# KiCad board motherboard.kicad_pcb (continued)
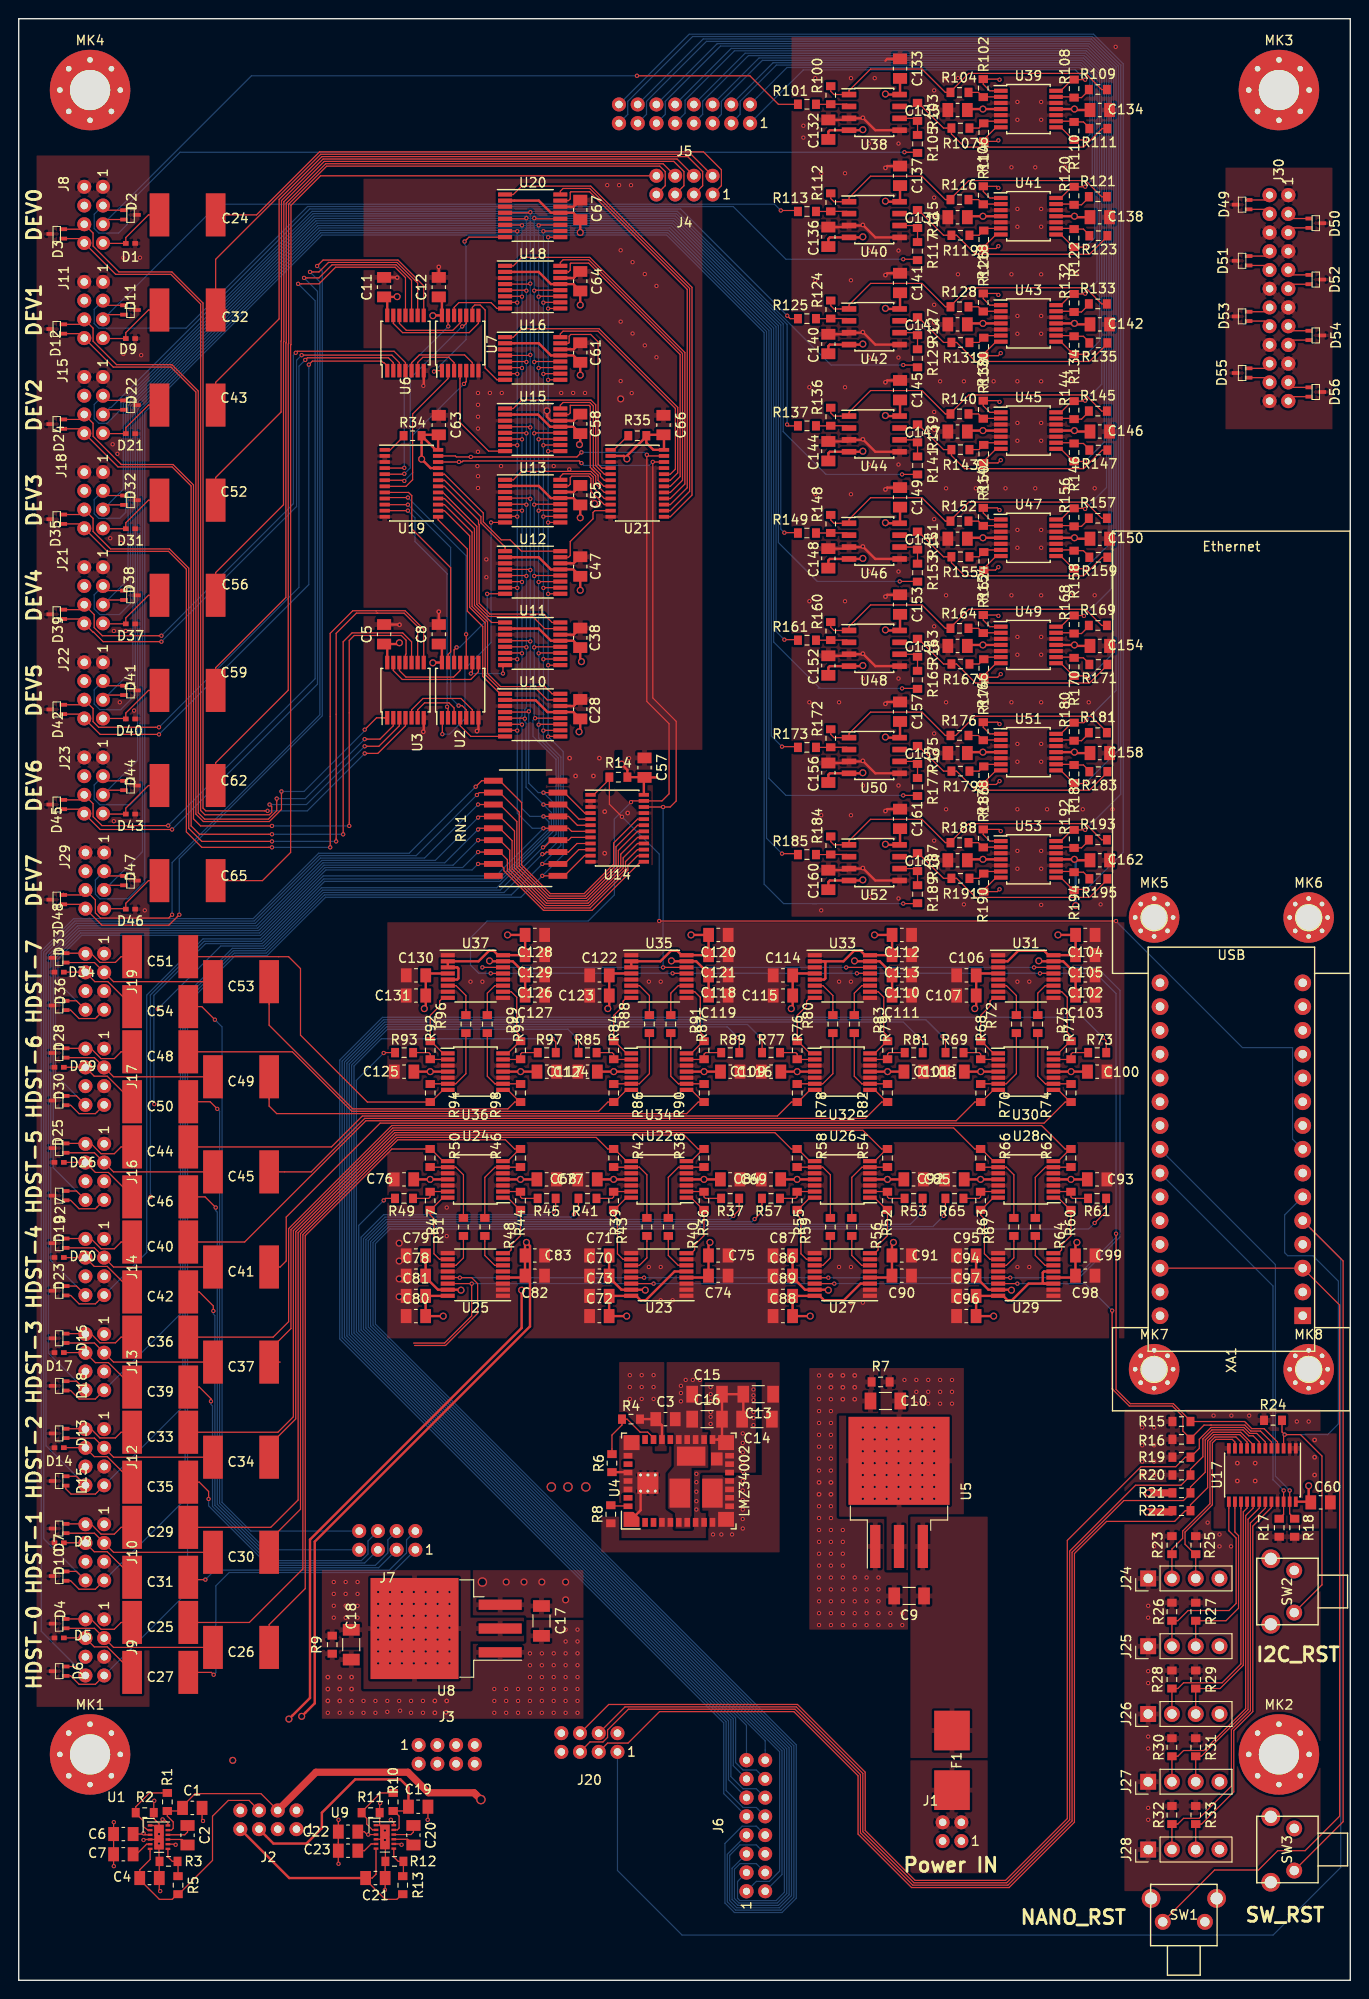
[diagram p0: board, top side]
## Routing (per net, layer and track width the routed paths; a pad name or vN(x,y) marks a point on that pad's centre or on a via; arc(x,y) is an arc through that point) (continued)
  In1.Cu w0.254: v3(30.23,28.19) 22.35,20.32 22.35,17.46 J2.7 ; v3(113.04,78.83) v3(93.44,78.83) v3(73.84,78.83) v3(54.24,78.83) 44.87,78.83 40.64,83.06 40.64,101.12 v3(43.33,103.8) v3(62.93,103.8) v3(82.53,103.8) v3(102.13,103.8)
-12VA: length 347.3
  Top w0.254: C76.2 v3(43.95,85.56) U24.11 ; v3(90.17,197.7) 90.11,197.64 U38.4 86.64,197.64 86.49,197.48 C132.2 ; v3(90.17,163.35) 90.11,163.29 U44.4 86.64,163.29 86.49,163.13 C144.2 ; C142.2 112.88,176.9 v3(112.78,177) U43.11 ; U32.11 v3(92.81,97.07) C108.2 ; C146.2 112.88,165.45 v3(112.78,165.55) U45.11 ; v3(90.17,151.9) 90.11,151.84 U46.4 86.64,151.84 86.49,151.68 C148.2 ; C134.2 112.88,199.8 v3(112.78,199.9) U39.11 ; U53.11 v3(112.78,119.75) 112.88,119.65 C162.2 ; C156.2 86.49,128.78 86.64,128.94 U50.4 90.11,128.94 v3(90.17,129) ; R6.2 65.04,54.28 U4.32 ; U34.11 v3(73.21,97.07) C116.2 ; U47.11 v3(112.78,154.1) 112.88,154 C150.2 ; U49.11 v3(112.78,142.65) 112.88,142.55 C154.2 ; U4.1 66.43,50.21 U4.37 ; C68.2 v3(63.55,85.56) U22.11 ; U36.11 v3(53.61,97.07) C124.2 ; C158.2 112.88,131.1 v3(112.78,131.2) U51.11 ; C160.2 86.49,117.33 86.64,117.49 U52.4 90.11,117.49 v3(90.17,117.55) ; v3(90.17,186.25) 90.11,186.19 U40.4 86.64,186.19 86.49,186.03 C136.2 ; U26.11 v3(83.15,85.56) C84.2 ; C138.2 112.88,188.35 v3(112.78,188.45) U41.11 ; C152.2 86.49,140.23 86.64,140.39 U48.4 90.11,140.39 v3(90.17,140.45) ; C14.2 77.4,60.07 C13.2 C15.2 C16.2 75.13,58.22 74.66,57.76 74.11,57.76 ; U30.11 v3(112.41,97.07) C100.2 ; v3(90.17,174.8) 90.11,174.74 U42.4 86.64,174.74 86.49,174.58 C140.2 ; U28.11 v3(102.75,85.56) C92.2
  In1.Cu w0.254: 81.2,87.5 100.8,87.5 v3(102.75,85.56) ; 81.2,87.5 v3(83.15,85.56) ; 81.2,87.5 61.6,87.5 ; v3(73.21,97.07) 74.78,95.5 74.93,95.5 ; 74.93,95.5 55.18,95.5 v3(53.61,97.07) 43.95,87.41 v3(43.95,85.56) 45.89,87.5 61.6,87.5 ; 74.93,95.5 94.38,95.5 ; v3(112.41,97.07) 112.03,96.69 112.03,96.66 ; v3(112.41,97.07) 114.43,99.08 114.43,113.67 113.28,114.81 v3(112.9,114.81) ; v3(112.41,97.07) 110.85,95.5 94.38,95.5 ; 94.38,95.5 v3(92.81,97.07) ; 61.6,87.5 v3(63.55,85.56)
  In1.Cu w0.762: v4(60.58,52.71) 49.02,52.71 47.75,51.44 47.75,51.18 47.63,29.34 47.63,29.21 45.47,27.05 30.48,27.05 23.67,20.24 J2.8
  Bottom w0.254: v3(112.9,114.81) 112.9,119.62 v3(112.78,119.75)
  vias: v1(72.39,54.1) v1(72.39,53.21) v1(72.39,52.2) v1(72.39,51.18) v1(72.39,50.29) v1(73.91,63.37) v1(73.91,62.61) v1(73.91,61.85) v1(73.91,60.71) v1(73.91,60.2) v1(73.91,59.44) v1(77.34,58.42) v1(77.34,57.4) v1(77.34,56.39) v1(77.34,55.37) v1(77.34,54.36) v1(78.49,63.12) v1(78.49,62.48) v1(78.49,61.98) v1(78.49,60.71) v1(78.49,60.07) v1(78.49,59.31) v4(56.9,52.71) v4(58.67,52.71)
/Arduino Nano Header Connections + Ethernet connection/5V-SCL: length 42.6
  Top w0.127: R17.2 135.12,49.78 U17.22 135.12,52.31 v1(135.13,52.32)
  Bottom w0.127: XA1.24 133.98,74.17 133.98,53.47 v1(135.13,52.32)
/Arduino Nano Header Connections + Ethernet connection/5V-SDA: length 45.4
  Top w0.127: R18.2 135.77,49.84 U17.23 135.77,52.32 v1(135.76,52.32)
  Bottom w0.127: v1(135.76,52.32) 134.24,53.85 134.24,76.45 XA1.23
/Audio Mux and Control/2v5-SCL-0: length 123.6
  Top w0.127: J20.3 62.9,25.34 65.09,25.34 68.45,28.7 82.8,28.7 89.66,21.84 89.66,15.62 95.38,9.91 105.79,9.91 112.78,16.89 112.78,45.59 116.21,49.02 123.48,49.02 124.62,50.17 R22.2 125.17,50.79 127,52.62 127,57.61 127.68,58.29 130.43,58.29 131.22,57.5 U17.9
/Audio Mux and Control/2v5-SDA-0: length 125.9
  Top w0.127: J20.5 61.02,25.46 62.41,25.46 62.9,25.95 62.9,26.73 65.12,28.96 82.93,28.96 89.92,21.97 89.92,15.75 95.5,10.16 105.66,10.16 112.52,17.02 112.52,45.72 118.05,51.25 124.43,51.25 125.17,51.99 R21.2 125.17,52.7 126.75,54.27 126.75,57.72 127.57,58.55 130.53,58.55 131.87,57.21 U17.8
/Audio Mux and Control/5V-SCL-0: length 315.5
  Top w0.127: v1(87.12,74.42) 85.03,74.42 U27.14 ; U19.22 47.02,162.19 v1(47.03,162.21) 47.35,162.21 47.45,162.31 59.88,162.31 v1(60.11,162.08) ; 127.38,59.31 126.62,59.31 125.17,57.86 ; 127.38,59.31 130.98,59.31 131.61,58.67 132.64,58.67 133.82,57.5 U17.5 ; 127.38,59.31 127.26,59.31 ; v1(67.82,74.42) 65.43,74.42 U23.14 ; v1(88.39,108.2) U33.14 ; R16.2 125.17,57.86 ; 125.17,57.86 124.36,58.67 124.36,60.22 123.24,61.34 118.64,61.34 116.8,63.18 v1(116.8,71.54) ; U25.14 45.83,74.42 v1(48.39,74.42) 48.39,70.97 45.49,68.07 42.19,68.07 ; v1(68.83,108.2) U35.14 ; U14.22 v1(68.83,125.34) 69.59,125.34 70.23,125.98 70.23,134.49 67.73,136.99 v1(67.73,162.21) 67.74,162.19 U21.22 ; U31.14 v1(108.46,108.2) ; U29.14 106.68,74.42 v1(106.68,74.42) ; v1(49.53,108.2) U37.14
  Bottom w0.127: v1(67.73,162.21) 67.35,161.82 60.36,161.82 v1(60.11,162.08) ; 111.89,74.42 113.92,74.42 v1(116.8,71.54) ; 111.89,74.42 v1(106.68,74.42) v1(87.12,74.42) v1(67.82,74.42) v1(48.39,74.42) ; 111.89,74.42 112.65,74.42 117.64,79.41 117.64,105.75 115.19,108.2 v1(108.46,108.2) v1(88.39,108.2) v1(68.83,108.2) ; v1(68.83,108.2) v1(68.83,125.34) ; v1(68.83,108.2) v1(49.53,108.2)
/Audio Mux and Control/5V-SCL-1: length 122.7
  Top w0.127: 132.52,56.83 132.52,57.5 131.85,58.17 131.4,58.17 130.77,58.8 127.47,58.8 126.49,57.82 126.49,55.93 125.17,54.6 R20.2 125.17,53.9 124.16,52.89 119.31,52.89 112.27,45.85 112.27,17.15 105.54,10.41 95.63,10.41 90.17,15.88 90.17,22.1 83.06,29.21 64.77,29.21 J20.4
/Audio Mux and Control/5V-SCL-2: length 19.6
  Top w0.127: U17.11 129.92,57.5 129.63,57.79 127.89,57.79 127.51,57.4 127.51,50.8 124.59,47.88 124.59,46.59 125.65,45.52 R25.2 J24.3
/Audio Mux and Control/5V-SCL-3: length 19.4
  Top w0.127: U17.14 129.92,47.88 130.3,47.5 130.3,39.75 128.96,38.41 R27.2 J25.3
/Audio Mux and Control/5V-SCL-4: length 26.5
  Top w0.127: J26.3 R29.2 128.32,31.17 130.81,33.65 130.81,50.04 131.22,50.45 U17.16
/Audio Mux and Control/5V-SCL-5: length 33.1
  Top w0.127: 132.52,51.12 132.52,50.45 131.32,49.25 131.32,28.91 126.34,23.93 R31.2 J27.3
/Audio Mux and Control/5V-SCL-6: length 40.9
  Top w0.127: J28.3 R33.2 126.36,16.69 129.79,20.13 129.79,26.67 131.83,28.7 131.83,48.51 133.82,50.5 U17.20
/Audio Mux and Control/5V-SDA-0: length 326.7
  Top w0.127: v1(50.42,107.57) 50.43,107.55 U37.13 ; v1(89.53,107.57) 90.92,107.57 U33.13 ; U25.13 47.1,75.07 v1(47.12,75.06) 48.39,75.06 49.02,74.42 49.02,71.25 45.59,67.82 42.29,67.82 ; U21.23 67.22,162.84 v1(67.1,162.97) 67.1,136.61 69.47,134.24 69.47,126.75 68.71,125.99 U14.23 65.54,125.99 v1(65.41,125.86) ; v1(86.49,75.06) 85.04,75.06 U27.13 ; U23.13 65.44,75.06 v1(66.8,75.06) ; v1(105.92,75.06) 104.64,75.06 U29.13 ; v1(117.22,79.76) 117.22,63.12 118.75,61.6 123.34,61.6 125.17,59.77 R15.2 130.96,59.69 131.72,58.93 133.04,58.93 134.47,57.5 U17.4 ; U31.13 110.52,107.57 v1(109.09,107.57) ; v1(69.85,107.57) 71.32,107.57 U35.13 ; U19.23 46.64,162.84 46.75,162.74 v1(48.3,162.74) 59.63,162.74 v1(60.11,163.22)
  Bottom w0.127: v1(67.1,162.97) 66.84,163.22 v1(60.11,163.22) ; v1(47.12,75.06) v1(66.8,75.06) v1(86.49,75.06) v1(105.92,75.06) 112.9,75.06 117.22,79.38 v1(117.22,79.76) 117.22,105.41 115.06,107.57 v1(109.09,107.57) v1(89.53,107.57) v1(69.85,107.57) v1(50.42,107.57) 49.15,107.57 48.26,108.46 48.26,111.38 50.04,113.16 60.83,113.16 63.63,115.95 63.63,124.08 v1(65.41,125.86)
/Audio Mux and Control/5V-SDA-1: length 125.3
  Top w0.127: J20.6 63.02,29.46 83.19,29.46 90.42,22.23 90.42,16 95.76,10.67 105.41,10.67 112.01,17.27 112.01,46.99 119.89,54.86 123.6,54.86 124.62,55.88 R19.2 126.11,56.82 126.11,57.8 127.36,59.06 130.87,59.06 131.51,58.42 132.25,58.42 133.17,57.5 U17.6
/Audio Mux and Control/5V-SDA-2: length 20.7
  Top w0.127: U17.10 130.57,57.5 130.03,58.04 127.78,58.04 127.25,57.51 127.25,50.91 124.33,47.98 124.33,47.21 123.19,46.07 R23.2 J24.2
/Audio Mux and Control/5V-SDA-3: length 21.5
  Top w0.127: J25.2 R26.2 123.82,38.41 124.91,39.5 129.29,39.5 130.05,40.26 130.05,47.24 129.27,48.03 U17.13
/Audio Mux and Control/5V-SDA-4: length 28.5
  Top w0.127: U17.15 130.57,50.45 130.56,50.44 130.56,33.78 128.56,31.78 124.43,31.78 123.82,31.17 R28.2 J26.2
/Audio Mux and Control/5V-SDA-5: length 35.1
  Top w0.127: U17.17 131.87,50.45 131.06,49.64 131.06,29.02 126.59,24.54 124.43,24.54 123.82,23.93 R30.2 J27.2
/Audio Mux and Control/5V-SDA-6: length 42.6
  Top w0.127: J28.2 R32.2 123.82,16.69 124.43,17.3 126.09,17.3 129.54,20.75 129.54,26.78 131.57,28.81 131.57,48.85 133.17,50.45 U17.19
GNDREF: length 148.8
  Top w0.127: U9.1 38.55,16.57 v1(39.12,16) 38.55,16.56 R11.2 38.55,18.87 v1(38.61,18.92) ; v1(43.69,17.15) 43.71,17.17 C19.2 ; v1(19.68,17.02) 19.58,17.12 C1.2 ; v1(15.11,9.53) 15.01,9.63 C4.1 15.01,12.67 R3.1 14.99,12.75 v1(14.99,14.61) ; v1(39.12,9.65) 39.14,9.68 C21.1 39.14,12.67 R12.1 39.17,14.58 U9.13 38.68,15.07 U9.4 ; v1(10.16,16.89) 10.13,16.86 C6.2 C7.2 10.13,12.22 v1(10.16,12.19) ; U1.13 14.74,15.04 U1.4 13.39,15.04 v1(13.34,14.99) ; U1.13 14.99,15.97 14.41,16.54 U1.1 ; U1.13 14.99,16.72 14.42,17.28 R2.2 14.42,19.12 v1(14.48,19.18) ; v1(34.16,12.45) 34.14,12.47 C23.2 C22.2 34.14,17.12 v1(34.16,17.15)
  Top w0.254: C47.2 59.28,151.37 U12.14 ; U44.5 91.5,163.29 v2(90.17,164.62) 90.11,164.56 U44.3 88.53,164.39 C144.1 ; v2(40.68,144.81) 40.65,144.83 C5.2 ; C148.1 88.53,152.94 U46.3 90.11,153.11 v2(90.17,153.17) 91.5,151.84 U46.5 ; U6.7 43.26,170.38 v1(43.22,170.33) ; U48.5 91.5,140.39 v2(90.17,141.72) 90.11,141.66 U48.3 88.53,141.49 C152.1 ; C137.1 92.78,193.81 v2(92.58,193.62) ; C141.1 92.78,182.36 v2(92.58,182.17) ; C11.2 40.4,181.92 v2(40.43,181.89) ; C8.2 v2(44.87,146.2) ; C156.1 88.53,130.04 U50.3 90.11,130.21 v2(90.17,130.27) 91.5,128.94 U50.5 ; U13.14 59.28,158.99 C55.2 ; v2(92.58,147.82) 92.78,148.01 C153.1 ; C67.2 59.28,189.47 U20.14 ; C136.1 88.53,187.29 U40.3 90.11,187.46 v2(90.17,187.52) 91.5,186.19 U40.5 ; U3.7 43.26,133.42 v2(43.22,133.38) ; C132.1 88.53,198.74 U38.3 90.11,198.91 v2(90.17,198.97) 91.5,197.64 U38.5 ; C140.1 88.53,175.84 U42.3 90.11,176.01 v2(90.17,176.07) 91.5,174.74 U42.5 ; C61.2 59.28,174.23 U16.14 ; v2(92.58,124.92) 92.78,125.11 C161.1 ; C160.1 88.53,118.59 U52.3 90.11,118.76 v2(90.17,118.82) 91.5,117.49 U52.5 ; U10.14 59.28,136.13 C28.2 ; C133.1 92.78,205.26 92.58,205.06 ; v2(92.58,136.37) 92.78,136.56 C157.1 ; C12.2 v2(44.87,183.03) ; U2.7 49.11,133.61 v2(48.95,133.45) ; C58.2 59.28,166.61 U15.14 56.84,166.61 56.43,167.02 v3(56.43,167.67) ; C38.2 59.28,143.75 U11.14 ; C145.1 92.78,170.91 v2(92.58,170.72) ; U18.14 59.28,181.85 C64.2 ; v2(92.58,159.27) 92.78,159.46 C149.1
  In1.Cu w0.127: 9.13,69.39 9.13,68.33 ; 9.13,79.55 9.13,78.49
  vias: v1(9.78,154.05) v1(10.03,164.08) v1(10.16,144.15) v1(10.16,123.83) v1(10.54,163.07) v1(10.79,136.53) v1(10.92,153.54) v1(11.18,184.02) v1(11.18,173.74) v1(11.43,144.15) v1(12.32,135.64) v1(12.95,184.02) v1(13.08,173.61) v1(13.46,114.3) v1(14.99,15.62) v1(33.02,28.58) v1(34.29,28.58) v1(35.56,29.85) v1(35.56,28.58) v1(36.83,29.85) v1(36.83,28.58) v1(38.1,29.85) v1(38.1,28.58) v1(39.12,14.99) v1(39.37,29.85) v1(39.37,28.68) v1(40.64,29.85) v1(40.74,28.8) v1(41.91,29.85) v1(41.91,28.58) v1(43.18,29.85) v1(43.18,28.58) v1(45.72,82.55) v1(45.72,79.5) v1(48.26,106.68) v1(49.06,169.57) v1(49.06,168.3) v1(49.06,167.03) v1(49.06,165.76) v1(49.06,163.28) v1(48.99,161.76) v1(49.06,160.68) v1(49.06,159.41) v1(49.53,106.68) v1(49.95,151.79) v1(49.95,149.89) v1(50.33,169.57) v1(50.8,31.12) v1(50.8,29.85) v1(50.8,28.58) v1(51.52,161.76) v1(51.6,169.57) v1(52.07,31.12) v1(52.07,29.85) v1(52.07,28.58) v1(53.34,31.12) v1(53.34,29.85) v1(53.34,28.58) v1(54.61,34.93) v1(54.61,33.66) v1(54.61,32.38) v1(54.61,31.12) v1(54.61,29.85) v1(54.61,28.58) v1(55.88,34.93) v1(55.88,33.66) v1(55.88,32.38) v1(55.88,31.12) v1(55.88,29.85) v1(55.88,28.58) v1(57.15,161.76) v1(57.15,34.93) v1(57.15,33.66) v1(57.15,32.38) v1(57.15,31.12) v1(57.15,29.85) v1(57.15,28.58) v1(57.95,169.57) v1(58.42,37.47) v1(58.42,36.19) v1(58.42,34.93) v1(58.42,33.66) v1(58.42,32.38) v1(58.42,31.12) v1(58.42,29.85) v1(58.42,28.58) v1(59.22,169.57) v1(59.69,37.47) v1(59.69,36.19) v1(59.69,34.93) v1(59.69,33.66) v1(59.69,32.38) v1(59.69,31.12) v1(59.69,29.85) v1(59.69,28.58) v1(60.49,169.57) v1(62.87,191.77) v1(64.13,191.77) v1(64.3,184.81) v1(64.3,177.19) v1(64.3,170.84) v1(65.2,130.56) v1(65.41,191.77) v1(65.48,169.56) v1(65.57,183.54) v1(65.57,175.92) v1(66.88,182.27) v1(66.88,174.66) v1(67.31,106.68) v1(67.31,76.2) v1(68.12,181) v1(68.12,173.38) v1(68.58,106.68) v1(68.58,76.2) v1(68.58,72.64) v1(69.85,72.64) v1(70.74,63.5) v1(70.74,62.74) v1(70.74,61.85) v1(71.25,64.14) v1(72.01,64.14) v1(72.77,64.14) v1(74.17,47.62) v1(75.06,47.62) v1(76.2,47.62) v1(77.34,53.34) v1(77.34,52.32) v1(77.34,51.31) v1(77.34,50.29) v1(77.34,49.28) v1(77.34,48.26) v1(83.82,198.12) v1(83.82,196.85) v1(84.46,170.18) v1(84.46,147.32) v1(84.46,136.53) v1(85.09,203.2) v1(85.09,181.61) v1(85.09,158.75) v1(85.49,64.62) v1(85.49,63.35) v1(85.49,62.08) v1(85.49,60.81) v1(85.49,59.54) v1(85.49,58.27) v1(85.49,57) v1(85.49,55.73) v1(85.49,54.46) v1(85.49,50.65) v1(85.49,49.38) v1(85.49,48.11) v1(85.49,46.84) v1(85.49,45.57) v1(85.49,44.3) v1(85.49,43.03) v1(85.49,41.76) v1(85.49,40.49) v1(85.49,39.22) v1(85.49,37.95) v1(85.72,193.04) v1(85.72,124.46) v1(85.72,114.3) v1(86.76,62.08) v1(86.76,60.81) v1(86.76,59.54) v1(86.76,58.27) v1(86.76,57) v1(86.76,55.73) v1(86.76,54.46) v1(86.76,50.65) v1(86.76,49.38) v1(86.76,48.11) v1(86.76,46.84) v1(86.76,45.57) v1(86.76,44.3) v1(86.76,43.03) v1(86.76,41.76) v1(86.76,40.49) v1(86.76,39.22) v1(86.76,37.95) v1(87.63,136.53) v1(87.63,106.68) v1(87.63,76.2) v1(88.03,48.11) v1(88.03,46.84) v1(88.03,45.57) v1(88.03,44.3) v1(88.03,43.03) v1(88.03,41.76) v1(88.03,40.49) v1(88.03,39.22) v1(88.03,37.95) v1(88.27,193.04) v1(88.27,170.18) v1(88.27,147.32) v1(88.9,203.2) v1(88.9,181.61) v1(88.9,158.75) v1(88.9,124.46) v1(88.9,106.68) v1(88.9,76.2) v1(88.9,72.39) v1(89.3,43.03) v1(89.3,41.76) v1(89.3,40.49) v1(89.3,39.22) v1(89.3,37.95) v1(90.17,139.07) v1(90.17,127.64) v1(90.17,72.39) v1(90.57,43.03) v1(90.57,41.76) v1(90.57,40.49) v1(90.57,39.22) v1(90.57,37.95) v1(90.81,196.22) v1(90.81,184.79) v1(90.81,173.36) v1(90.81,161.93) v1(90.81,150.5) v1(90.88,115.74) v1(91.44,203.2) v1(91.84,43.03) v1(91.84,41.76) v1(91.84,40.49) v1(91.84,39.22) v1(91.84,37.95) v1(93.11,39.22) v1(93.11,37.95) v1(93.98,196.22) v1(93.98,184.79) v1(93.98,173.36) v1(93.98,161.93) v1(93.98,150.5) v1(93.98,139.07) v1(93.98,127.64) v1(93.98,115.57) v1(94.38,39.22) v1(94.38,37.95) v1(97.79,201.89) v1(97.79,199.99) v1(97.79,190.44) v1(97.79,188.54) v1(97.79,178.99) v1(97.79,177.09) v1(97.79,167.54) v1(97.79,165.64) v1(97.79,156.09) v1(97.79,154.19) v1(97.79,144.64) v1(97.79,142.74) v1(97.79,133.19) v1(97.79,131.29) v1(97.79,121.74) v1(97.79,119.84) v1(98.43,170.82) v1(99.06,203.2) v1(99.06,159.39) v1(99.06,147.96) v1(99.06,136.53) v1(99.06,125.1) v1(100.33,203.2) v1(100.33,182.25) v1(100.97,170.82) v1(100.97,114.94) v1(102.24,159.39) v1(102.87,193.68) v1(102.87,182.25) v1(102.87,147.96) v1(102.87,136.53) v1(102.87,125.1) v1(104.14,170.82) v1(105.41,159.39) v1(106.05,193.68) v1(106.05,182.25) v1(106.05,147.96) v1(106.05,136.53) v1(106.68,200.66) v1(106.68,198.76) v1(106.68,189.23) v1(106.68,187.33) v1(106.68,177.8) v1(106.68,175.9) v1(106.68,170.82) v1(106.68,166.37) v1(106.68,164.47) v1(106.68,154.94) v1(106.68,153.04) v1(106.68,143.51) v1(106.68,141.61) v1(106.68,132.08) v1(106.68,130.18) v1(106.68,125.1) v1(106.68,120.65) v1(106.68,118.75) v1(106.68,106.68) v1(106.68,76.2) v1(107.95,106.68) v1(107.95,76.2) v1(108.59,193.68) v1(108.59,159.39) v1(109.22,200.66) v1(109.22,198.76) v1(109.22,189.23) v1(109.22,187.33) v1(109.22,182.25) v1(109.22,177.8) v1(109.22,175.9) v1(109.22,170.82) v1(109.22,166.37) v1(109.22,164.47) v1(109.22,154.94) v1(109.22,153.04) v1(109.22,147.96) v1(109.22,143.51) v1(109.22,141.61) v1(109.22,136.53) v1(109.22,132.08) v1(109.22,130.18) v1(109.22,120.65) v1(109.22,118.75) v1(109.22,114.88) v1(109.86,125.1) v1(111.76,193.68) v1(111.76,159.39) v1(111.76,136.53) v1(112.4,170.82) v1(112.4,147.96) v1(113.03,182.25) v1(113.66,125.1) v1(114.3,136.53) v1(114.94,159.39) v1(114.94,147.96) v1(115.57,114.94) v1(116.84,125.1) v1(117.18,206.55) v2(33.02,32.38) v2(33.02,31.12) v2(33.02,29.85) v2(34.29,32.38) v2(34.29,31.12) v2(34.29,29.85) v2(35.56,32.38) v2(35.56,31.12) v2(44.45,29.85) v2(44.45,28.58) v2(45.66,28.63) v2(45.72,29.85) v2(58.85,130.56) v2(59.48,128.65) v2(61.39,128.65) v2(62.02,130.56) v2(62.6,124.84) v2(62.6,120.4) v2(65.05,124.7) v2(85.49,53.19) v2(85.49,51.92) v2(86.76,64.62) v2(86.76,63.35) v2(86.76,53.19) v2(86.76,51.92) v2(88.03,64.62) v2(88.03,63.35) v2(88.03,62.08) v2(89.3,64.62) v2(89.3,63.35) v2(89.3,62.08) v2(130.18,55.25) v2(130.18,53.34) v2(132.08,55.25) v2(132.08,53.34) v2(138.43,57.72) v2(138.43,55.88) v2(138.43,53.98) v3(40.64,78.74) v3(40.64,76.84) v3(40.64,74.93) v3(40.64,73.03) v3(61.51,157.76) v3(64.3,168.94)
/Arduino Nano Header Connections + Ethernet connection/D2_SPST: length 239.9
  Top w0.127: SW3.1 141.48,16.95 141.48,76.84 XA1.5
  Bottom w0.127: J20.1 63.96,11.73 70.87,4.83 133.99,4.83 141.22,12.07 141.22,77.09 XA1.5
/Arduino Nano Header Connections + Ethernet connection/D3_I2C: length 61.3
  Top w0.127: R24.2 134.95,58.58 v1(135.23,58.29) ; v1(135.23,58.29) 135.12,58.18 U17.3 ; v1(135.23,58.29) 136.93,58.29 139.22,56 139.22,42.25 SW2.1
  Bottom w0.127: XA1.6 135.23,81.76 135.23,77.72 135.55,77.4 138.24,77.4 140.97,74.68 140.97,59.44 139.83,58.29 v1(135.23,58.29)
/Arduino Nano Header Connections + Ethernet connection/D5_INT: length 105.2
  Top w0.127: 117.2,113.16 v1(68.41,113.16) ; R14.2 63.09,128.31 61.43,126.64 U14.1 ; R14.2 63.09,125.64 v1(64.44,124.3) ; R14.2 63.09,128.45
  Bottom w0.127: v1(68.41,113.16) 68.41,120.32 v1(64.44,124.3) ; 117.2,113.16 130.72,99.64 136.08,99.64 136.08,89.86 XA1.8
  vias: v1(117.22,113.16)
/Arduino Nano Header Connections + Ethernet connection/Nano_RST: length 99
  Top w0.127: SW1.1 127.75,11.78 132.43,11.78 134.49,13.84 137.41,13.84 141.1,17.53 141.1,72.14 XA1.3 XA1.28
/Audio Mux and Control/DEV-PTT-TRGR-0: length 9.2
  Top w0.127: U3.5 41.96,135.72 43.17,136.93 47.25,136.93 48.46,135.72 U2.6
/Audio Mux and Control/DEV-PTT-TRGR-1: length 11.7
  Top w0.127: U2.8 49.11,139.79 48.28,138.96 40.97,138.96 40.01,139.92 U3.13
/Audio Mux and Control/DEV-PTT-TRGR-2: length 8.8
  Top w0.127: U2.11 47.16,139.92 46.46,139.22 41.37,139.22 40.66,139.92 U3.12
/Audio Mux and Control/DEV-PTT-TRGR-3: length 6.3
  Top w0.127: U3.6 42.61,135.72 43.35,136.46 45.96,136.46 46.51,135.92 U2.3
/Audio Mux and Control/DEV-PTT-TRGR-4: length 8.9
  Top w0.127: U6.5 41.96,172.81 42.79,173.64 47.63,173.64 48.46,172.81 U7.6
/Audio Mux and Control/DEV-PTT-TRGR-5: length 11.6
  Top w0.127: U6.13 40.01,177 41.01,176.01 48.11,176.01 49.11,177 U7.8
/Audio Mux and Control/DEV-PTT-TRGR-6: length 8.8
  Top w0.127: U7.11 47.16,177.06 46.36,176.26 41.4,176.26 40.66,177 U6.12
/Audio Mux and Control/DEV-PTT-TRGR-7: length 6.1
  Top w0.127: U6.6 42.61,172.83 43.17,173.38 45.93,173.38 46.51,172.81 U7.3
/Audio Mux and Control/DEV-PTT-XBAR-CTL0: length 22.2
  Top w0.127: U19.13 44.8,156.02 47.92,152.9 47.92,146.27 49.57,144.62 49.57,139.29 51.43,137.43 U10.1
/Audio Mux and Control/DEV-PTT-XBAR-CTL1: length 29.3
  Top w0.127: U19.15 45.48,157.64 48.43,154.69 48.43,146.78 50.08,145.13 50.08,139.6 51.47,138.2 56.2,138.2 56.98,137.43 U10.16
/Audio Mux and Control/DEV-PTT-XBAR-CTL2: length 29.1
  Top w0.127: U19.14 45.48,156.99 48.17,154.3 48.17,146.67 49.82,145.02 49.82,139.49 51.37,137.95 55.28,137.95 56.45,136.78 U10.15
/Audio Mux and Control/DEV-PTT-XBAR-CTL3: length 17.4
  Top w0.127: U19.16 45.48,158.29 48.68,155.09 48.68,146.88 50.51,145.05 U11.1
/Audio Mux and Control/DEV-PTT-XBAR-CTL4: length 24.2
  Top w0.127: U11.16 56.98,145.05 56.08,145.95 50.33,145.95 49.19,147.09 49.19,155.52 49.12,155.59 49.12,155.95 45.48,159.59 U19.18
/Audio Mux and Control/DEV-PTT-XBAR-CTL5: length 24
  Top w0.127: U19.17 45.31,158.94 48.93,155.32 48.93,146.99 50.23,145.7 54.88,145.7 56.18,144.4 U11.15
/Audio Mux and Control/DEV-PTT-XBAR-CTL6: length 10.9
  Top w0.127: U12.1 51.95,153.11 49.37,155.69 49.37,156.35 45.48,160.24 U19.19
/Audio Mux and Control/DEV-PTT-XBAR-CTL7: length 17
  Top w0.127: U12.16 53.7,152.67 52.49,153.88 51.54,153.88 49.63,155.8 49.63,156.74 45.48,160.89 U19.20
/Audio Mux and Control/DEV-PTT-XBAR-CTL8: length 8.7
  Top w0.127: U12.15 58.73,152.02 58.92,152.2 58.92,153.7 61.35,156.13 61.35,156.8 61.54,156.99 U21.11
/Audio Mux and Control/DEV-PTT-XBAR-CTL9: length 13.1
  Top w0.127: U21.8 62.55,158.94 61.63,159.86 61.63,160.68 61.13,161.19 53.73,161.19 52.83,160.29 U13.1
  vias: v1(58.82,161.41)
/Audio Mux and Control/DEV-PTT-XBAR-CTL10: length 7.6
  Top w0.127: U21.9 62.55,158.29 61.38,159.47 61.38,160.58 61.02,160.94 58.15,160.94 57.85,160.64 U13.16
/Audio Mux and Control/DEV-PTT-XBAR-CTL11: length 8.3
  Top w0.127: U21.10 62.55,157.64 61.13,159.07 61.13,160.44 60.89,160.68 59.08,160.68 58.92,160.52 58.92,159.82 58.73,159.64 U13.15
/Audio Mux and Control/DEV-PTT-XBAR-CTL12: length 18.7
  Top w0.127: U21.5 62.55,160.89 61.63,161.81 61.63,168.3 61.13,168.81 53.73,168.81 52.83,167.91 U15.1
/Audio Mux and Control/DEV-PTT-XBAR-CTL13: length 13.3
  Top w0.127: U15.16 57.85,168.26 58.15,168.56 61,168.56 61.38,168.17 61.38,161.65 62.14,160.89 62.14,160.65 62.55,160.24 U21.6
/Audio Mux and Control/DEV-PTT-XBAR-CTL14: length 14.6
  Top w0.127: U15.15 58.73,167.26 58.92,167.44 58.92,168.25 60.94,168.25 61.05,168.14 61.05,161.62 61.51,161.17 ; 62.52,159.59 61.89,160.23 61.89,160.79 61.51,161.17 ; 62.52,159.59 62.72,159.59 ; 62.52,159.59 U21.7 ; 61.51,161.17 61.23,161.44
/Audio Mux and Control/DEV-PTT-XBAR-CTL15: length 31.1
  Top w0.127: U16.1 52.83,175.53 53.73,176.43 61.99,176.43 70.4,168.03 70.4,161.04 69.61,160.24 U21.19
/Audio Mux and Control/DEV-PTT-XBAR-CTL16: length 24.1
  Top w0.127: U16.16 57.85,175.88 58.15,176.18 61.89,176.18 70.14,167.92 70.14,161.43 69.61,160.89 U21.20
/Audio Mux and Control/DEV-PTT-XBAR-CTL17: length 19.7
  Top w0.127: U21.4 62.3,161.54 61.89,161.95 61.89,175.03 61.1,175.82 58.98,175.82 58.79,175.64 58.79,174.94 58.73,174.88 U16.15
/Audio Mux and Control/DEV-PTT-XBAR-CTL18: length 40.7
  Top w0.127: U21.16 69.61,158.29 71.16,159.85 71.16,173.89 61,184.05 53.73,184.05 52.83,183.15 U18.1
/Audio Mux and Control/DEV-PTT-XBAR-CTL19: length 33.7
  Top w0.127: U21.17 69.61,158.94 70.91,160.24 70.91,173.78 60.89,183.8 58.15,183.8 57.85,183.5 U18.16
/Audio Mux and Control/DEV-PTT-XBAR-CTL20: length 32.8
  Top w0.127: U21.18 69.61,159.59 70.65,160.64 70.65,173.68 60.89,183.44 58.98,183.44 58.92,183.38 58.92,182.68 58.73,182.5 U18.15
/Audio Mux and Control/DEV-PTT-XBAR-CTL21: length 51
  Top w0.127: U21.13 69.61,156.34 71.92,158.66 71.92,180.85 61.1,191.67 53.73,191.67 52.83,190.77 U20.1
/Audio Mux and Control/DEV-PTT-XBAR-CTL22: length 44
  Top w0.127: U21.14 69.61,156.99 71.67,159.06 71.67,180.75 61,191.42 58.15,191.42 57.85,191.12 U20.16
/Audio Mux and Control/DEV-PTT-XBAR-CTL23: length 43.1
  Top w0.127: U21.15 69.61,157.64 71.41,159.45 71.41,180.64 60.99,191.06 58.98,191.06 58.92,191 58.92,190.3 58.73,190.12 U20.15
/Audio Mux and Control/Device LR Distro Amplifier 0/L_IN: length 84.5
  Top w0.127: D2.2 9.5,188.1 J8.5 ; R101.2 81.15,200.41 78.11,203.45 v1(66.04,203.45)
  Bottom w0.127: J8.5 24.86,203.45 v1(66.04,203.45)
/Audio Mux and Control/Device LR Distro Amplifier 0/R_IN: length 98.3
  Top w0.127: D2.1 9.5,189.1 J8.3 ; v1(94.62,195.29) 95.94,195.29 R105.2
  Bottom w0.127: v1(94.62,195.29) 17.23,195.29 11.59,189.65 11.59,187.58 10.67,186.65 8.55,186.65 8.06,187.14 8.06,188.65 J8.3
/Audio Mux and Control/Device LR Distro Amplifier 1/L_IN: length 82.1
  Top w0.127: J11.5 9.5,177.94 D11.2 ; v1(81.41,189.06) 83.13,189.06 R113.2
  Bottom w0.127: v1(81.41,189.06) 80.73,189.74 21.3,189.74 J11.5
/Audio Mux and Control/Device LR Distro Amplifier 1/R_IN: length 101.2
  Top w0.127: J11.3 9.5,178.94 D11.1 ; v1(94.49,183.86) 95.92,183.86 R117.2
  Bottom w0.127: v1(94.49,183.86) 81.96,183.86 76.33,189.48 30.86,189.48 17.87,176.49 8.55,176.49 8.06,176.98 8.06,178.49 J11.3
/Audio Mux and Control/Device LR Distro Amplifier 2/L_IN: length 90.6
  Top w0.127: J15.5 9.5,167.78 D22.2 ; R125.2 82.42,177.51 v1(82.1,177.82)
  Bottom w0.127: J15.5 9.75,168.02 9.87,168.02 31.08,189.23 70.69,189.23 v1(82.1,177.82)
/Audio Mux and Control/Device LR Distro Amplifier 2/R_IN: length 110.1
  Top w0.127: J15.3 9.5,168.78 D22.1 ; R129.2 95.77,172.55 v1(94.49,172.55)
  Bottom w0.127: J15.3 8.06,168.33 8.06,166.82 8.55,166.33 9.42,166.33 10.92,167.83 10.92,168.57 31.33,188.98 70.35,188.98 86.78,172.55 v1(94.49,172.55)
/Audio Mux and Control/Device LR Distro Amplifier 3/L_IN: length 110.8
  Top w0.127: D32.2 9.5,157.62 J18.5 ; R137.2 82.23,166.06 v1(82.08,166.2)
  Bottom w0.127: v1(82.08,166.2) 82.08,176.89 70.25,188.72 31.44,188.72 11.18,168.46 11.18,159.29 J18.5
/Audio Mux and Control/Device LR Distro Amplifier 3/R_IN: length 131.8
  Top w0.127: v1(94.36,160.87) 96.01,160.87 R141.2 ; J18.3 9.5,158.62 D32.1
  Bottom w0.127: v1(94.36,160.87) 86.23,160.87 81.66,165.44 81.66,176.95 70.14,188.47 31.54,188.47 11.43,168.35 11.43,156.81 10.79,156.17 8.55,156.17 8.06,156.66 8.06,158.17 J18.3
